# Altium PCB smallLCboard.PcbDoc (part 1 of 4)
Units mil, origin at the board's own origin, x right, y up, seen from the top; angles counter-clockwise.
Board outline 3761.03 x 3206.38 mil, 2 copper layers (Top Layer, Bottom Layer); 200 components, 0 nets, 2312 pads, 320 vias.
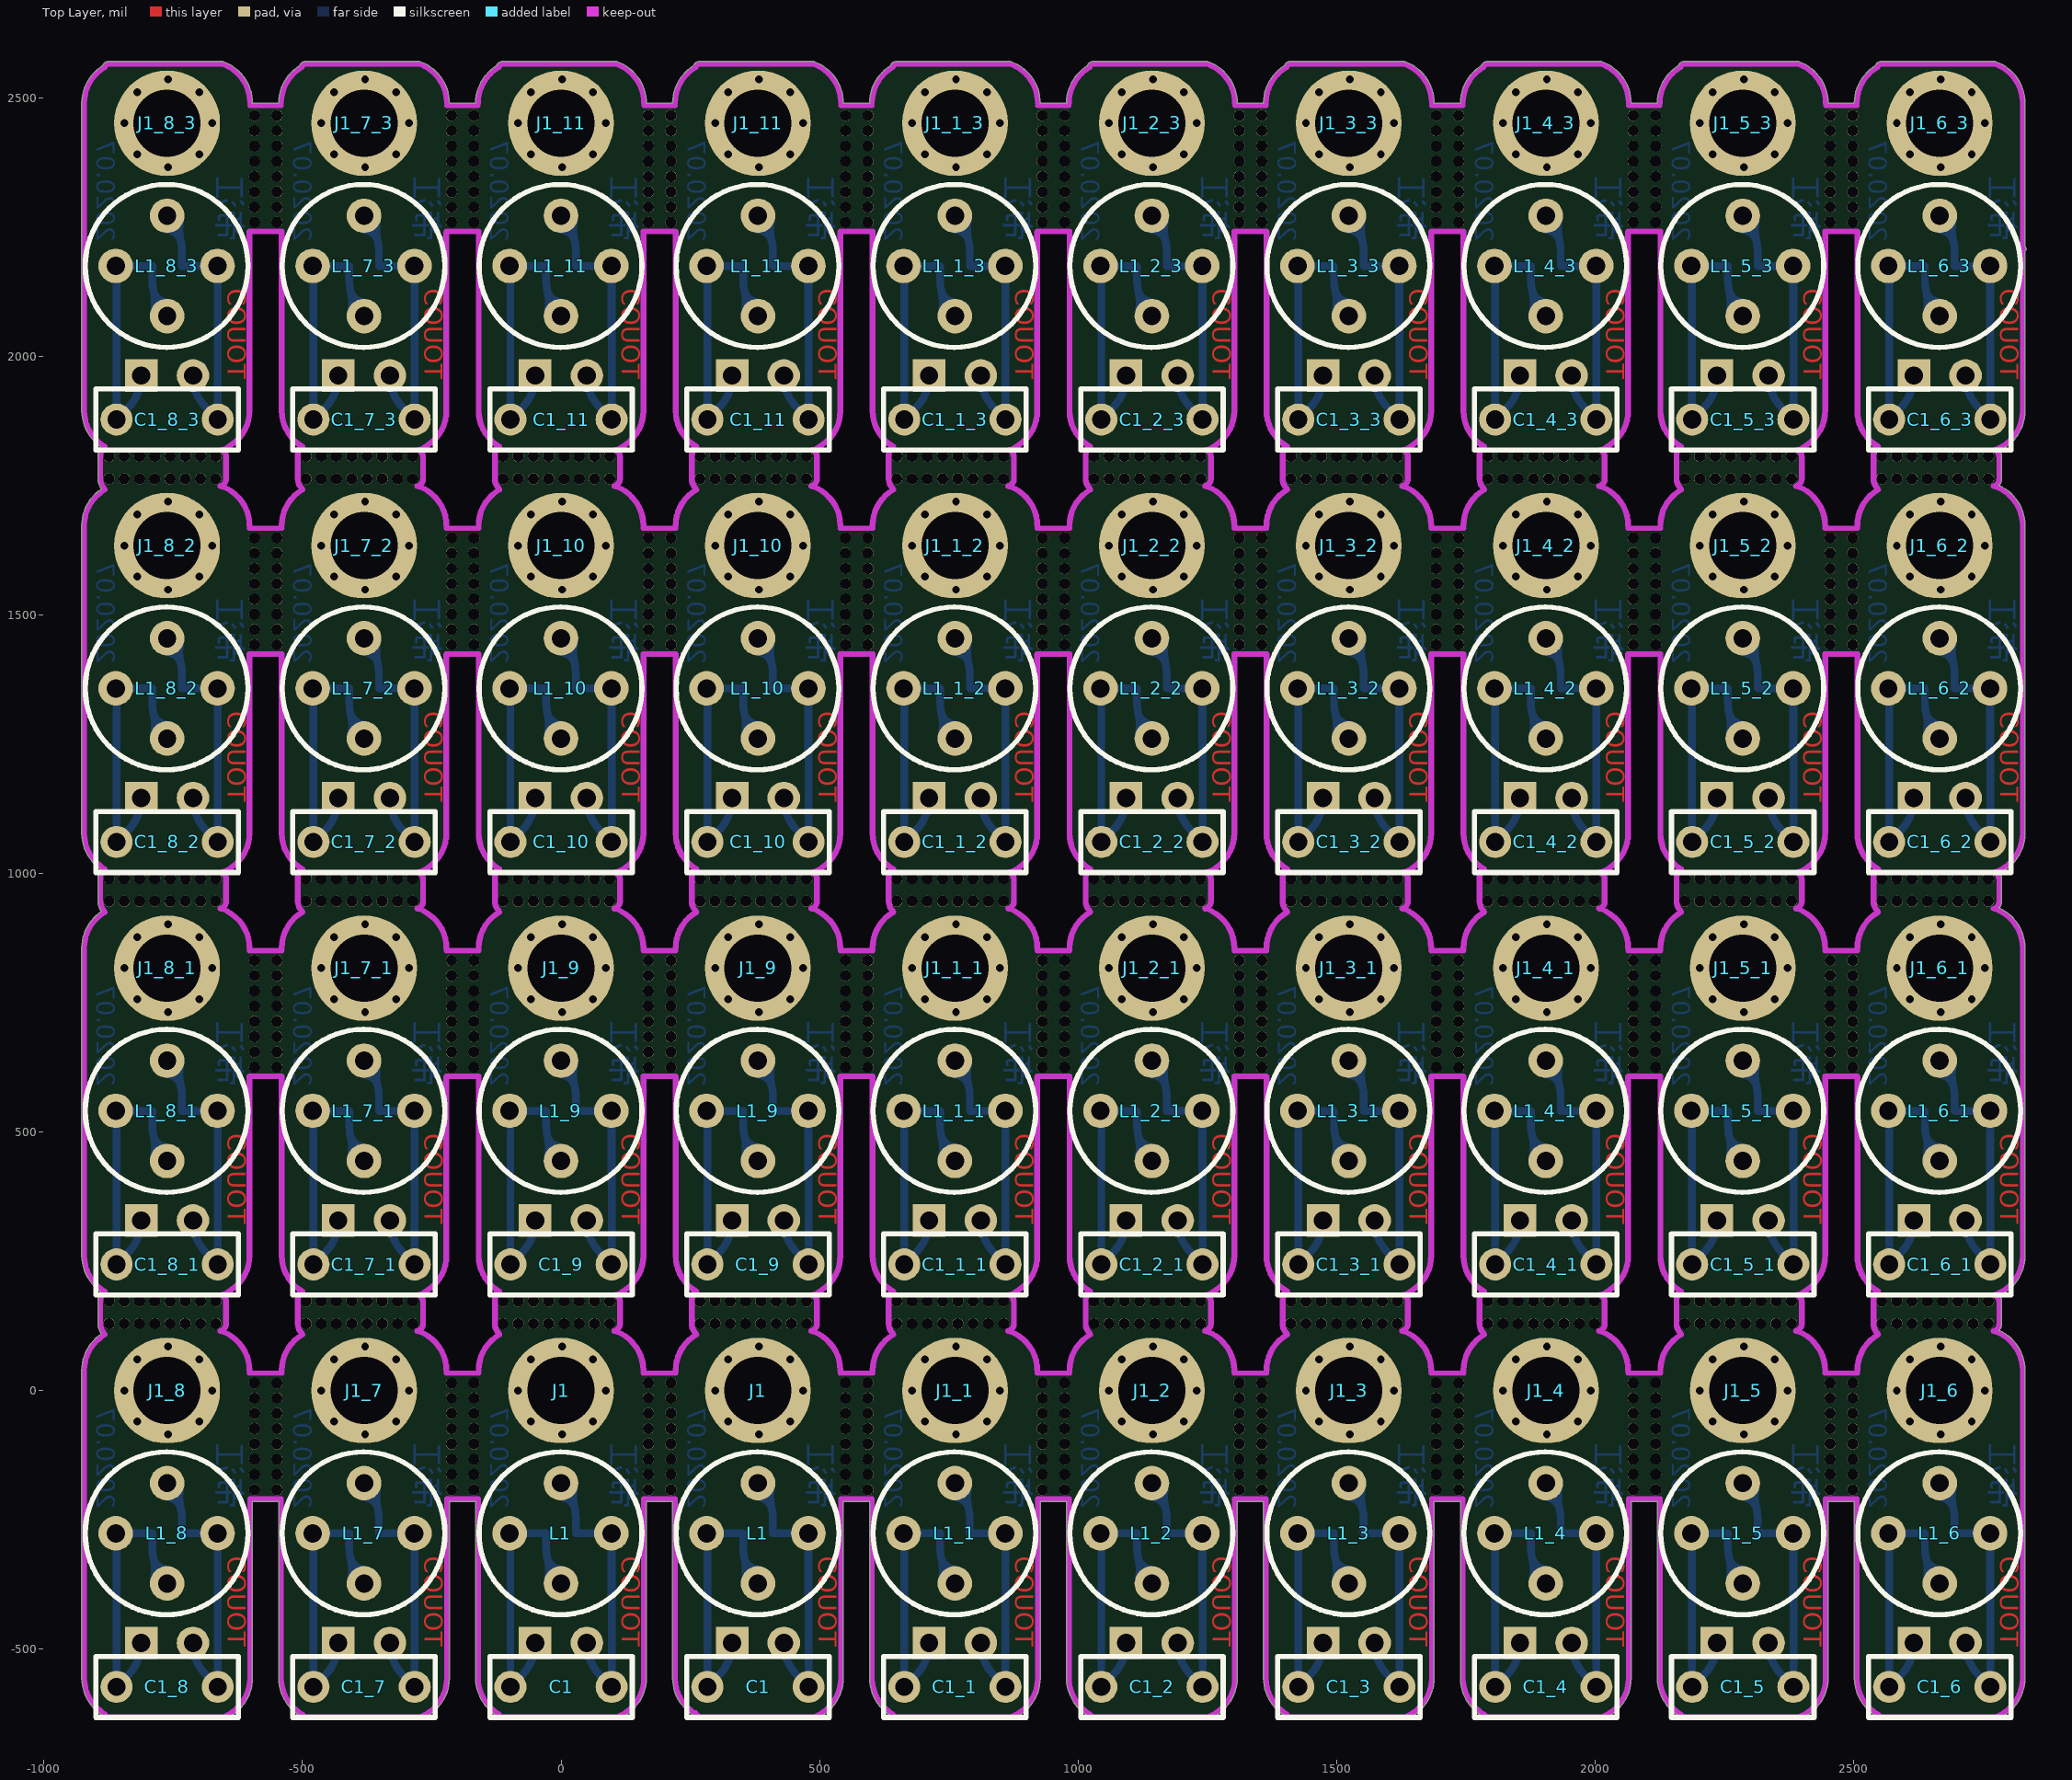
[diagram p0: Top Layer view]
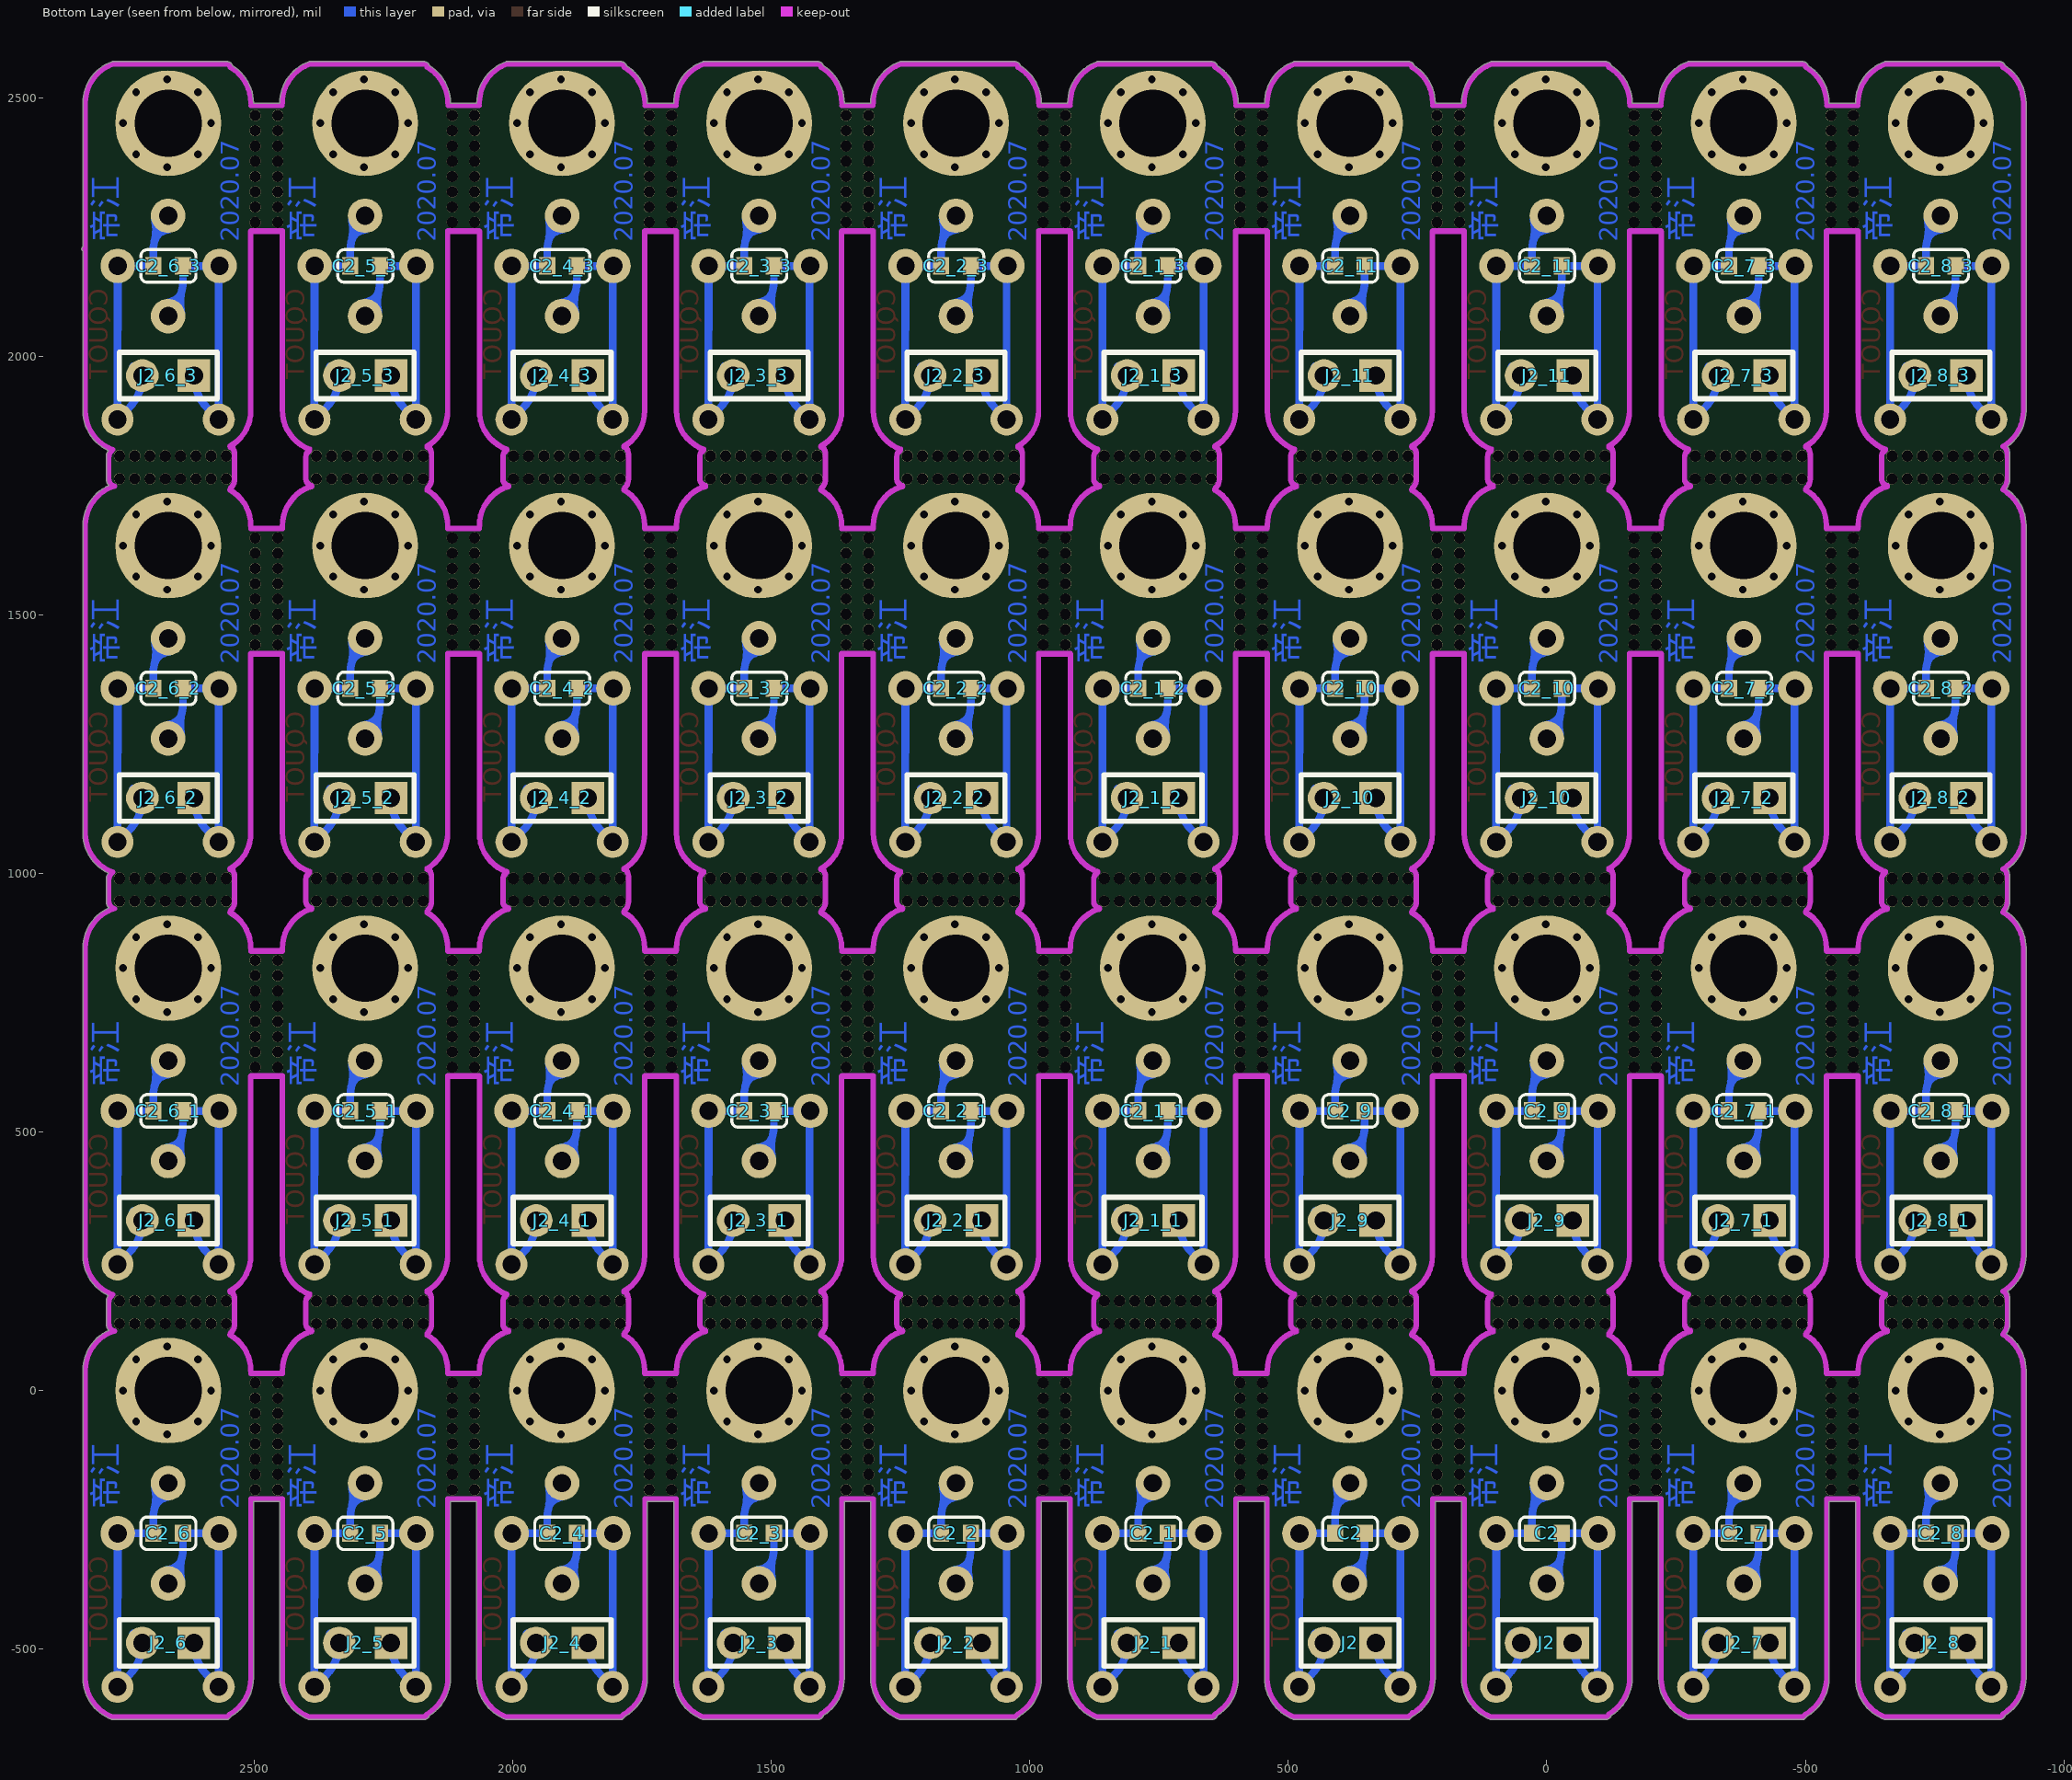
[diagram p1: Bottom Layer view, seen from below]

## Layer stack, top to bottom
Top Solder: solder mask 0.4, Solder Resist, Dk 3.5
Top Layer: signal copper 1.4
Dielectric 1: dielectric 12.6, FR-4, Dk 4.8
Bottom Layer: signal copper 1.4
Bottom Solder: solder mask 0.4, Solder Resist, Dk 3.5

## Board outline
-886.56,-628.4 ccw(c-876.11,-625.28) -876.11,-636.19 -654.64,-636.19 ccw(c-654.64,-631.18) -652.92,-635.89 ccw(c-682,-556) -596.99,-556 -596.99,-214.51 -546.01,-214.51 -546.01,-556 -546.02,-556 cw(c-541,-556) -546.01,-555.97 -546.02,-556 ccw(c-461,-556) -504.09,-629.29 -498.65,-634.72 -498.67,-634.7 ccw(c-495.11,-631.18) -495.11,-636.19 -273.64,-636.19 ccw(c-273.64,-631.18) -271.92,-635.89 ccw(c-301,-556) -215.99,-556 -215.99,-214.51 -165.01,-214.51 -165.01,-556 ccw(c-80,-556) -124.56,-628.4 ccw(c-114.11,-625.28) -114.11,-636.19 107.36,-636.19 ccw(c107.36,-631.18) 109.08,-635.89 ccw(c80,-556) 165.02,-556 165.02,-214.51 215.98,-214.51 215.98,-556 ccw(c301,-556) 258.49,-629.63 ccw(c261,-625.28) 260.13,-630.22 264.63,-634.72 264.61,-634.7 ccw(c268.18,-631.18) 268.18,-636.19 488.36,-636.19 ccw(c488.36,-631.18) 490.08,-635.89 ccw(c461,-556) 546.02,-556 546.02,-214.51 596.98,-214.51 596.98,-556 ccw(c682,-556) 637.44,-628.4 ccw(c647.89,-625.28) 647.89,-636.19 869.36,-636.19 ccw(c869.36,-631.18) 871.08,-635.89 ccw(c842,-556) 927.02,-556 927.02,-214.51 977.98,-214.51 977.98,-556 ccw(c1063,-556) 1019.91,-629.29 1025.35,-634.72 1025.33,-634.7 ccw(c1028.89,-631.18) 1028.89,-636.19 1250.36,-636.19 ccw(c1250.36,-631.18) 1252.08,-635.89 ccw(c1223,-556) 1308.02,-556 1308.02,-214.51 1358.98,-214.51 1358.98,-556 ccw(c1444,-556) 1399.44,-628.4 ccw(c1409.89,-625.28) 1409.89,-636.19 1631.36,-636.19 ccw(c1631.36,-631.18) 1633.08,-635.89 ccw(c1604,-556) 1689.02,-556 1689.02,-214.51 1739.98,-214.51 1739.98,-556 ccw(c1825,-556) 1781.91,-629.29 1787.35,-634.72 1787.33,-634.7 ccw(c1790.89,-631.18) 1790.89,-636.19 2012.36,-636.19 ccw(c2012.36,-631.18) 2014.08,-635.89 ccw(c1985,-556) 2070.02,-556 2070.02,-214.51 2120.98,-214.51 2120.98,-556 ccw(c2206,-556) 2161.44,-628.4 ccw(c2171.89,-625.28) 2171.89,-636.19 2393.36,-636.19 ccw(c2393.36,-631.18) 2395.08,-635.89 ccw(c2366,-556) 2451.02,-556 2451.02,-214.51 2501.98,-214.51 2501.98,-556 ccw(c2587,-556) 2543.91,-629.29 2549.35,-634.72 2549.33,-634.7 ccw(c2552.89,-631.18) 2552.89,-636.19 2774.36,-636.19 ccw(c2774.36,-631.18) 2776.08,-635.89 ccw(c2747,-556) 2832.02,-556 2832.02,39 ccw(c2747,39) 2781.84,116.55 ccw(c2769.14,128.7) 2786.72,128.7 2786.72,172.1 ccw(c2765.77,172.1) 2783.01,183.99 ccw(c2747,261) 2832.02,261 2832.02,856 ccw(c2747,856) 2781.84,933.55 ccw(c2769.14,945.7) 2786.72,945.7 2786.72,989.1 ccw(c2765.77,989.1) 2783.01,1000.99 ccw(c2747,1078) 2832.02,1078 2832.02,1673 ccw(c2747,1673) 2781.84,1750.55 ccw(c2769.14,1762.7) 2786.72,1762.7 2786.72,1806.1 ccw(c2765.77,1806.1) 2783.01,1817.99 ccw(c2747,1895) 2832.02,1895 2832.02,2203.99 ccw(c2829,2208) 2834.02,2208 ccw(c2829,2208) 2832.02,2212.01 2832.02,2490 ccw(c2747,2490) 2776.08,2569.89 ccw(c2774.36,2565.18) 2774.36,2570.19 2552.89,2570.19 ccw(c2552.89,2559.28) 2542.44,2562.4 ccw(c2587,2490) 2501.98,2490 ccw(c2507,2490) 2501.99,2489.91 2451.01,2489.91 ccw(c2446,2490) 2451.02,2490 ccw(c2366,2490) 2395.08,2569.89 ccw(c2393.36,2565.18) 2393.36,2570.19 2171.89,2570.19 ccw(c2171.89,2559.28) 2161.44,2562.4 ccw(c2206,2490) 2120.98,2490 ccw(c2126,2490) 2120.99,2489.91 2070.01,2489.91 ccw(c2065,2490) 2070.02,2490 ccw(c1985,2490) 2014.08,2569.89 ccw(c2012.36,2565.18) 2012.36,2570.19 1790.89,2570.19 ccw(c1790.89,2559.28) 1780.44,2562.4 ccw(c1825,2490) 1739.98,2490 ccw(c1745,2490) 1739.99,2489.91 1689.01,2489.91 ccw(c1684,2490) 1689.02,2490 ccw(c1604,2490) 1633.08,2569.89 ccw(c1631.36,2565.18) 1631.36,2570.19 1409.89,2570.19 ccw(c1409.89,2559.28) 1399.44,2562.4 ccw(c1444,2490) 1358.98,2490 ccw(c1364,2490) 1358.99,2489.91 1308.01,2489.91 ccw(c1303,2490) 1308.02,2490 ccw(c1223,2490) 1252.08,2569.89 ccw(c1250.36,2565.18) 1250.36,2570.19 1028.89,2570.19 ccw(c1028.89,2559.28) 1018.44,2562.4 ccw(c1063,2490) 977.98,2490 ccw(c983,2490) 977.99,2489.91 927.01,2489.91 ccw(c922,2490) 927.02,2490 ccw(c842,2490) 871.08,2569.89 ccw(c869.36,2565.18) 869.36,2570.19 647.89,2570.19 ccw(c647.89,2559.28) 637.44,2562.4 ccw(c682,2490) 596.98,2490 ccw(c602,2490) 596.99,2489.91 546.01,2489.91 ccw(c541,2490) 546.02,2490 ccw(c461,2490) 490.08,2569.89 ccw(c488.36,2565.18) 488.36,2570.19 266.89,2570.19 ccw(c266.89,2559.28) 256.44,2562.4 ccw(c301,2490) 215.98,2490 ccw(c221,2490) 215.99,2489.91 165.01,2489.91 ccw(c160,2490) 165.02,2490 ccw(c80,2490) 109.08,2569.89 ccw(c107.36,2565.18) 107.36,2570.19 -114.11,2570.19 ccw(c-114.11,2559.28) -124.56,2562.4 ccw(c-80,2490) -165.01,2490 ccw(c-160,2490) -165.01,2489.91 -215.99,2489.91 ccw(c-221,2490) -215.99,2490 ccw(c-301,2490) -271.92,2569.89 ccw(c-273.64,2565.18) -273.64,2570.19 -495.11,2570.19 ccw(c-495.11,2559.28) -505.56,2562.4 ccw(c-461,2490) -546.01,2490 ccw(c-541,2490) -546.01,2489.91 -596.99,2489.91 ccw(c-602,2490) -596.99,2490 ccw(c-682,2490) -652.92,2569.89 ccw(c-654.64,2565.18) -654.64,2570.19 -876.11,2570.19 ccw(c-876.11,2559.28) -886.56,2562.4 ccw(c-842,2490) -927.01,2490 -927.01,1895 ccw(c-842,1895) -891.33,1825.76 ccw(c-868.85,1811.05) -895.72,1811.05 -895.72,1762.68 ccw(c-866.12,1762.68) -888.96,1743.87 ccw(c-842,1673) -927.01,1673 -927.01,1078 ccw(c-842,1078) -891.33,1008.76 ccw(c-868.85,994.05) -895.72,994.05 -895.72,945.68 ccw(c-866.12,945.68) -888.96,926.87 ccw(c-842,856) -927.01,856 -927.01,261 ccw(c-842,261) -891.33,191.76 ccw(c-868.85,177.05) -895.72,177.05 -895.72,128.68 ccw(c-866.12,128.68) -888.96,109.87 ccw(c-842,39) -927.01,39 -927.01,-556 ccw(c-842,-556)
cut-out: -658.3,110.09 cw(c-658.3,115.1) -658.3,120.11 ccw(c-658.3,121.38) -657.42,120.47 cw(c-653.86,116.94) -657.41,120.48 cw(c-653.86,116.94) -657.39,120.5 -657.41,120.48 -654.52,123.37 ccw(c-659.86,128.7) -654.51,123.38 ccw(c-659.86,128.7) -652.32,128.7 -652.32,171.1 ccw(c-663.23,171.1) -655.51,178.82 cw(c-651.97,182.37) -656.87,181.34 cw(c-654.64,185.82) -656.35,190.54 ccw(c-682,261) -607.01,261 -607.01,607.5 cw(c-602,607.5) -600.95,612.4 cw(c-599.9,607.5) -599.9,612.51 -542.1,612.51 cw(c-542.1,607.5) -541.55,612.48 cw(c-541,607.5) -535.99,607.5 -535.99,261 ccw(c-461,261) -498.49,196.06 cw(c-501,191.72) -495.99,191.72 cw(c-501,191.72) -500.88,186.7 ccw(c-487.85,176.05) -504.68,176.05 -504.68,128.68 ccw(c-485.12,128.68) -498.95,114.85 cw(c-502.5,111.3) -497.52,111.89 cw(c-501,108.28) -495.99,108.28 cw(c-501,108.28) -498.49,103.94 ccw(c-461,39) -535.99,39 cw(c-541,39) -536.84,36.2 cw(c-541.3,33.9) -536.28,33.9 cw(c-541.3,33.9) -541.3,28.89 -601.7,28.89 cw(c-601.7,33.9) -606.16,36.2 cw(c-602,39) -607.01,39 ccw(c-682,39) -656.35,109.46 cw(c-654.64,114.18) -657.57,110.11 cw(c-658.3,121.38)
cut-out: -277.3,110.09 cw(c-277.3,115.1) -277.3,120.11 ccw(c-277.3,121.38) -276.42,120.47 cw(c-272.86,116.94) -276.41,120.48 cw(c-272.86,116.94) -276.39,120.5 -276.41,120.48 -273.52,123.37 ccw(c-278.86,128.7) -273.51,123.38 ccw(c-278.86,128.7) -271.32,128.7 -271.32,171.1 ccw(c-282.23,171.1) -274.51,178.82 cw(c-270.97,182.37) -275.87,181.34 cw(c-273.64,185.82) -275.35,190.54 ccw(c-301,261) -226.01,261 -226.01,607.5 cw(c-221,607.5) -219.95,612.4 cw(c-218.9,607.5) -218.9,612.51 -161.1,612.51 cw(c-161.1,607.5) -160.55,612.48 cw(c-160,607.5) -154.99,607.5 -154.99,261 ccw(c-80,261) -117.49,196.06 cw(c-120,191.72) -114.99,191.72 cw(c-120,191.72) -119.88,186.7 ccw(c-106.85,176.05) -123.68,176.05 -123.68,128.68 ccw(c-104.12,128.68) -117.95,114.85 cw(c-121.5,111.3) -116.52,111.89 cw(c-120,108.28) -114.99,108.28 cw(c-120,108.28) -117.49,103.94 ccw(c-80,39) -154.99,39 cw(c-160,39) -155.84,36.2 cw(c-160.3,33.9) -155.28,33.9 cw(c-160.3,33.9) -160.3,28.89 -220.7,28.89 cw(c-220.7,33.9) -225.16,36.2 cw(c-221,39) -226.01,39 ccw(c-301,39) -275.35,109.46 cw(c-273.64,114.18) -276.57,110.11 cw(c-277.3,121.38)
cut-out: 103.7,110.09 cw(c103.7,115.1) 103.7,120.11 ccw(c103.7,121.38) 104.58,120.47 cw(c108.14,116.94) 104.59,120.48 cw(c108.14,116.94) 104.61,120.5 104.59,120.48 107.48,123.37 ccw(c102.14,128.7) 107.49,123.38 ccw(c102.14,128.7) 109.69,128.7 109.69,171.1 ccw(c98.77,171.1) 106.49,178.82 cw(c110.03,182.37) 105.13,181.34 cw(c107.36,185.82) 105.65,190.54 ccw(c80,261) 154.98,261 154.98,607.5 cw(c160,607.5) 161.05,612.4 cw(c162.1,607.5) 162.1,612.51 219.9,612.51 cw(c219.9,607.5) 220.45,612.48 cw(c221,607.5) 226.02,607.5 226.02,261 ccw(c301,261) 263.51,196.06 cw(c261,191.72) 266.02,191.72 cw(c261,191.72) 261.12,186.7 ccw(c274.15,176.05) 257.31,176.05 257.31,128.68 ccw(c276.88,128.68) 263.05,114.85 cw(c259.5,111.3) 264.48,111.89 cw(c261,108.28) 266.02,108.28 cw(c261,108.28) 263.51,103.94 ccw(c301,39) 226.02,39 cw(c221,39) 225.16,36.2 cw(c220.7,33.9) 225.72,33.9 cw(c220.7,33.9) 220.7,28.89 160.3,28.89 cw(c160.3,33.9) 155.84,36.2 cw(c160,39) 154.98,39 ccw(c80,39) 105.65,109.46 cw(c107.36,114.18) 104.43,110.11 cw(c103.7,121.38)
cut-out: 484.7,110.09 cw(c484.7,115.1) 484.7,120.11 ccw(c484.7,121.38) 485.58,120.47 cw(c489.14,116.94) 485.59,120.48 cw(c489.14,116.94) 485.61,120.5 485.59,120.48 488.48,123.37 ccw(c483.14,128.7) 488.49,123.38 ccw(c483.14,128.7) 490.69,128.7 490.69,171.1 ccw(c479.77,171.1) 487.49,178.82 cw(c491.03,182.37) 486.13,181.34 cw(c488.36,185.82) 486.65,190.54 ccw(c461,261) 535.98,261 535.98,607.5 cw(c541,607.5) 542.05,612.4 cw(c543.1,607.5) 543.1,612.51 600.9,612.51 cw(c600.9,607.5) 601.45,612.48 cw(c602,607.5) 607.02,607.5 607.02,261 ccw(c682,261) 644.51,196.06 cw(c642,191.72) 647.02,191.72 cw(c642,191.72) 642.12,186.7 ccw(c655.15,176.05) 638.31,176.05 638.31,128.68 ccw(c657.88,128.68) 644.05,114.85 cw(c640.5,111.3) 645.48,111.89 cw(c642,108.28) 647.02,108.28 cw(c642,108.28) 644.51,103.94 ccw(c682,39) 607.02,39 cw(c602,39) 606.16,36.2 cw(c601.7,33.9) 606.72,33.9 cw(c601.7,33.9) 601.7,28.89 541.3,28.89 cw(c541.3,33.9) 536.84,36.2 cw(c541,39) 535.98,39 ccw(c461,39) 486.65,109.46 cw(c488.36,114.18) 485.43,110.11 cw(c484.7,121.38)
cut-out: 865.7,110.09 cw(c865.7,115.1) 865.7,120.11 ccw(c865.7,121.38) 866.58,120.47 cw(c870.14,116.94) 866.59,120.48 cw(c870.14,116.94) 866.61,120.5 866.59,120.48 869.48,123.37 ccw(c864.14,128.7) 869.49,123.38 ccw(c864.14,128.7) 871.69,128.7 871.69,171.1 ccw(c860.77,171.1) 868.49,178.82 cw(c872.03,182.37) 867.13,181.34 cw(c869.36,185.82) 867.65,190.54 ccw(c842,261) 916.98,261 916.98,607.5 cw(c922,607.5) 923.05,612.4 cw(c924.1,607.5) 924.1,612.51 981.9,612.51 cw(c981.9,607.5) 982.45,612.48 cw(c983,607.5) 988.02,607.5 988.02,261 ccw(c1063,261) 1025.51,196.06 cw(c1023,191.72) 1028.02,191.72 cw(c1023,191.72) 1023.12,186.7 ccw(c1036.15,176.05) 1019.31,176.05 1019.31,128.68 ccw(c1038.88,128.68) 1025.05,114.85 cw(c1021.5,111.3) 1026.48,111.89 cw(c1023,108.28) 1028.02,108.28 cw(c1023,108.28) 1025.51,103.94 ccw(c1063,39) 988.02,39 cw(c983,39) 987.16,36.2 cw(c982.7,33.9) 987.72,33.9 cw(c982.7,33.9) 982.7,28.89 922.3,28.89 cw(c922.3,33.9) 917.84,36.2 cw(c922,39) 916.98,39 ccw(c842,39) 867.65,109.46 cw(c869.36,114.18) 866.43,110.11 cw(c865.7,121.38)
cut-out: 1246.7,110.09 cw(c1246.7,115.1) 1246.7,120.11 ccw(c1246.7,121.38) 1247.58,120.47 cw(c1251.14,116.94) 1247.59,120.48 cw(c1251.14,116.94) 1247.61,120.5 1247.59,120.48 1250.48,123.37 ccw(c1245.14,128.7) 1250.49,123.38 ccw(c1245.14,128.7) 1252.69,128.7 1252.69,171.1 ccw(c1241.77,171.1) 1249.49,178.82 cw(c1253.03,182.37) 1248.13,181.34 cw(c1250.36,185.82) 1248.65,190.54 ccw(c1223,261) 1297.98,261 1297.98,607.5 cw(c1303,607.5) 1304.05,612.4 cw(c1305.1,607.5) 1305.1,612.51 1362.9,612.51 cw(c1362.9,607.5) 1363.45,612.48 cw(c1364,607.5) 1369.02,607.5 1369.02,261 ccw(c1444,261) 1406.51,196.06 cw(c1404,191.72) 1409.02,191.72 cw(c1404,191.72) 1404.12,186.7 ccw(c1417.15,176.05) 1400.31,176.05 1400.31,128.68 ccw(c1419.88,128.68) 1406.05,114.85 cw(c1402.5,111.3) 1407.48,111.89 cw(c1404,108.28) 1409.02,108.28 cw(c1404,108.28) 1406.51,103.94 ccw(c1444,39) 1369.02,39 cw(c1364,39) 1368.16,36.2 cw(c1363.7,33.9) 1368.72,33.9 cw(c1363.7,33.9) 1363.7,28.89 1303.3,28.89 cw(c1303.3,33.9) 1298.84,36.2 cw(c1303,39) 1297.98,39 ccw(c1223,39) 1248.65,109.46 cw(c1250.36,114.18) 1247.43,110.11 cw(c1246.7,121.38)
cut-out: 1627.7,110.09 cw(c1627.7,115.1) 1627.7,120.11 ccw(c1627.7,121.38) 1628.58,120.47 cw(c1632.14,116.94) 1628.59,120.48 cw(c1632.14,116.94) 1628.61,120.5 1628.59,120.48 1631.48,123.37 ccw(c1626.14,128.7) 1631.49,123.38 ccw(c1626.14,128.7) 1633.69,128.7 1633.69,171.1 ccw(c1622.77,171.1) 1630.49,178.82 cw(c1634.03,182.37) 1629.13,181.34 cw(c1631.36,185.82) 1629.65,190.54 ccw(c1604,261) 1678.98,261 1678.98,607.5 cw(c1684,607.5) 1685.05,612.4 cw(c1686.1,607.5) 1686.1,612.51 1743.9,612.51 cw(c1743.9,607.5) 1744.45,612.48 cw(c1745,607.5) 1750.02,607.5 1750.02,261 ccw(c1825,261) 1787.51,196.06 cw(c1785,191.72) 1790.02,191.72 cw(c1785,191.72) 1785.12,186.7 ccw(c1798.15,176.05) 1781.31,176.05 1781.31,128.68 ccw(c1800.88,128.68) 1787.05,114.85 cw(c1783.5,111.3) 1788.48,111.89 cw(c1785,108.28) 1790.02,108.28 cw(c1785,108.28) 1787.51,103.94 ccw(c1825,39) 1750.02,39 cw(c1745,39) 1749.16,36.2 cw(c1744.7,33.9) 1749.72,33.9 cw(c1744.7,33.9) 1744.7,28.89 1684.3,28.89 cw(c1684.3,33.9) 1679.84,36.2 cw(c1684,39) 1678.98,39 ccw(c1604,39) 1629.65,109.46 cw(c1631.36,114.18) 1628.43,110.11 cw(c1627.7,121.38)
cut-out: 2008.7,110.09 cw(c2008.7,115.1) 2008.7,120.11 ccw(c2008.7,121.38) 2009.58,120.47 cw(c2013.14,116.94) 2009.59,120.48 cw(c2013.14,116.94) 2009.61,120.5 2009.59,120.48 2012.48,123.37 ccw(c2007.14,128.7) 2012.49,123.38 ccw(c2007.14,128.7) 2014.69,128.7 2014.69,171.1 ccw(c2003.77,171.1) 2011.49,178.82 cw(c2015.03,182.37) 2010.13,181.34 cw(c2012.36,185.82) 2010.65,190.54 ccw(c1985,261) 2059.98,261 2059.98,607.5 cw(c2065,607.5) 2066.05,612.4 cw(c2067.1,607.5) 2067.1,612.51 2124.9,612.51 cw(c2124.9,607.5) 2125.45,612.48 cw(c2126,607.5) 2131.02,607.5 2131.02,261 ccw(c2206,261) 2168.51,196.06 cw(c2166,191.72) 2171.02,191.72 cw(c2166,191.72) 2166.12,186.7 ccw(c2179.15,176.05) 2162.31,176.05 2162.31,128.68 ccw(c2181.88,128.68) 2168.05,114.85 cw(c2164.5,111.3) 2169.48,111.89 cw(c2166,108.28) 2171.02,108.28 cw(c2166,108.28) 2168.51,103.94 ccw(c2206,39) 2131.02,39 cw(c2126,39) 2130.16,36.2 cw(c2125.7,33.9) 2130.72,33.9 cw(c2125.7,33.9) 2125.7,28.89 2065.3,28.89 cw(c2065.3,33.9) 2060.84,36.2 cw(c2065,39) 2059.98,39 ccw(c1985,39) 2010.65,109.46 cw(c2012.36,114.18) 2009.43,110.11 cw(c2008.7,121.38)
cut-out: 2389.7,110.09 cw(c2389.7,115.1) 2389.7,120.11 ccw(c2389.7,121.38) 2390.58,120.47 cw(c2394.14,116.94) 2390.59,120.48 cw(c2394.14,116.94) 2390.61,120.5 2390.59,120.48 2393.48,123.37 ccw(c2388.14,128.7) 2393.49,123.38 ccw(c2388.14,128.7) 2395.69,128.7 2395.69,171.1 ccw(c2384.77,171.1) 2392.49,178.82 cw(c2396.03,182.37) 2391.13,181.34 cw(c2393.36,185.82) 2391.65,190.54 ccw(c2366,261) 2440.98,261 2440.98,607.5 cw(c2446,607.5) 2447.05,612.4 cw(c2448.1,607.5) 2448.1,612.51 2505.9,612.51 cw(c2505.9,607.5) 2506.45,612.48 cw(c2507,607.5) 2512.02,607.5 2512.02,261 ccw(c2587,261) 2549.51,196.06 cw(c2547,191.72) 2552.02,191.72 cw(c2547,191.72) 2547.12,186.7 ccw(c2560.15,176.05) 2543.31,176.05 2543.31,128.68 ccw(c2562.88,128.68) 2549.05,114.85 cw(c2545.5,111.3) 2550.48,111.89 cw(c2547,108.28) 2552.02,108.28 cw(c2547,108.28) 2549.51,103.94 ccw(c2587,39) 2512.02,39 cw(c2507,39) 2511.16,36.2 cw(c2506.7,33.9) 2511.72,33.9 cw(c2506.7,33.9) 2506.7,28.89 2446.3,28.89 cw(c2446.3,33.9) 2441.84,36.2 cw(c2446,39) 2440.98,39 ccw(c2366,39) 2391.65,109.46 cw(c2393.36,114.18) 2390.43,110.11 cw(c2389.7,121.38)
cut-out: 2389.7,927.09 cw(c2389.7,932.1) 2389.7,937.11 ccw(c2389.7,938.38) 2390.58,937.47 cw(c2394.14,933.94) 2390.59,937.48 cw(c2394.14,933.94) 2390.61,937.5 2390.59,937.48 2393.48,940.37 ccw(c2388.14,945.7) 2393.49,940.38 ccw(c2388.14,945.7) 2395.69,945.7 2395.69,988.1 ccw(c2384.77,988.1) 2392.49,995.82 cw(c2396.03,999.37) 2391.13,998.34 cw(c2393.36,1002.82) 2391.65,1007.54 ccw(c2366,1078) 2440.98,1078 2440.98,1424.5 cw(c2446,1424.5) 2447.05,1429.4 cw(c2448.1,1424.5) 2448.1,1429.52 2505.9,1429.52 cw(c2505.9,1424.5) 2506.45,1429.48 cw(c2507,1424.5) 2512.02,1424.5 2512.02,1078 ccw(c2587,1078) 2549.51,1013.06 cw(c2547,1008.72) 2552.02,1008.72 cw(c2547,1008.72) 2547.12,1003.7 ccw(c2560.15,993.05) 2543.31,993.05 2543.31,945.68 ccw(c2562.88,945.68) 2549.05,931.85 cw(c2545.5,928.3) 2550.48,928.89 cw(c2547,925.28) 2552.02,925.28 cw(c2547,925.28) 2549.51,920.94 ccw(c2587,856) 2512.02,856 cw(c2507,856) 2511.16,853.2 cw(c2506.7,850.9) 2511.72,850.9 cw(c2506.7,850.9) 2506.7,845.89 2446.3,845.89 cw(c2446.3,850.9) 2441.84,853.2 cw(c2446,856) 2440.98,856 ccw(c2366,856) 2391.65,926.46 cw(c2393.36,931.18) 2390.43,927.11 cw(c2389.7,938.38)
cut-out: 2008.7,927.09 cw(c2008.7,932.1) 2008.7,937.11 ccw(c2008.7,938.38) 2009.58,937.47 cw(c2013.14,933.94) 2009.59,937.48 cw(c2013.14,933.94) 2009.61,937.5 2009.59,937.48 2012.48,940.37 ccw(c2007.14,945.7) 2012.49,940.38 ccw(c2007.14,945.7) 2014.69,945.7 2014.69,988.1 ccw(c2003.77,988.1) 2011.49,995.82 cw(c2015.03,999.37) 2010.13,998.34 cw(c2012.36,1002.82) 2010.65,1007.54 ccw(c1985,1078) 2059.98,1078 2059.98,1424.5 cw(c2065,1424.5) 2066.05,1429.4 cw(c2067.1,1424.5) 2067.1,1429.52 2124.9,1429.52 cw(c2124.9,1424.5) 2125.45,1429.48 cw(c2126,1424.5) 2131.02,1424.5 2131.02,1078 ccw(c2206,1078) 2168.51,1013.06 cw(c2166,1008.72) 2171.02,1008.72 cw(c2166,1008.72) 2166.12,1003.7 ccw(c2179.15,993.05) 2162.31,993.05 2162.31,945.68 ccw(c2181.88,945.68) 2168.05,931.85 cw(c2164.5,928.3) 2169.48,928.89 cw(c2166,925.28) 2171.02,925.28 cw(c2166,925.28) 2168.51,920.94 ccw(c2206,856) 2131.02,856 cw(c2126,856) 2130.16,853.2 cw(c2125.7,850.9) 2130.72,850.9 cw(c2125.7,850.9) 2125.7,845.89 2065.3,845.89 cw(c2065.3,850.9) 2060.84,853.2 cw(c2065,856) 2059.98,856 ccw(c1985,856) 2010.65,926.46 cw(c2012.36,931.18) 2009.43,927.11 cw(c2008.7,938.38)